# KiCad board FC_V5a.kicad_pcb (continued)
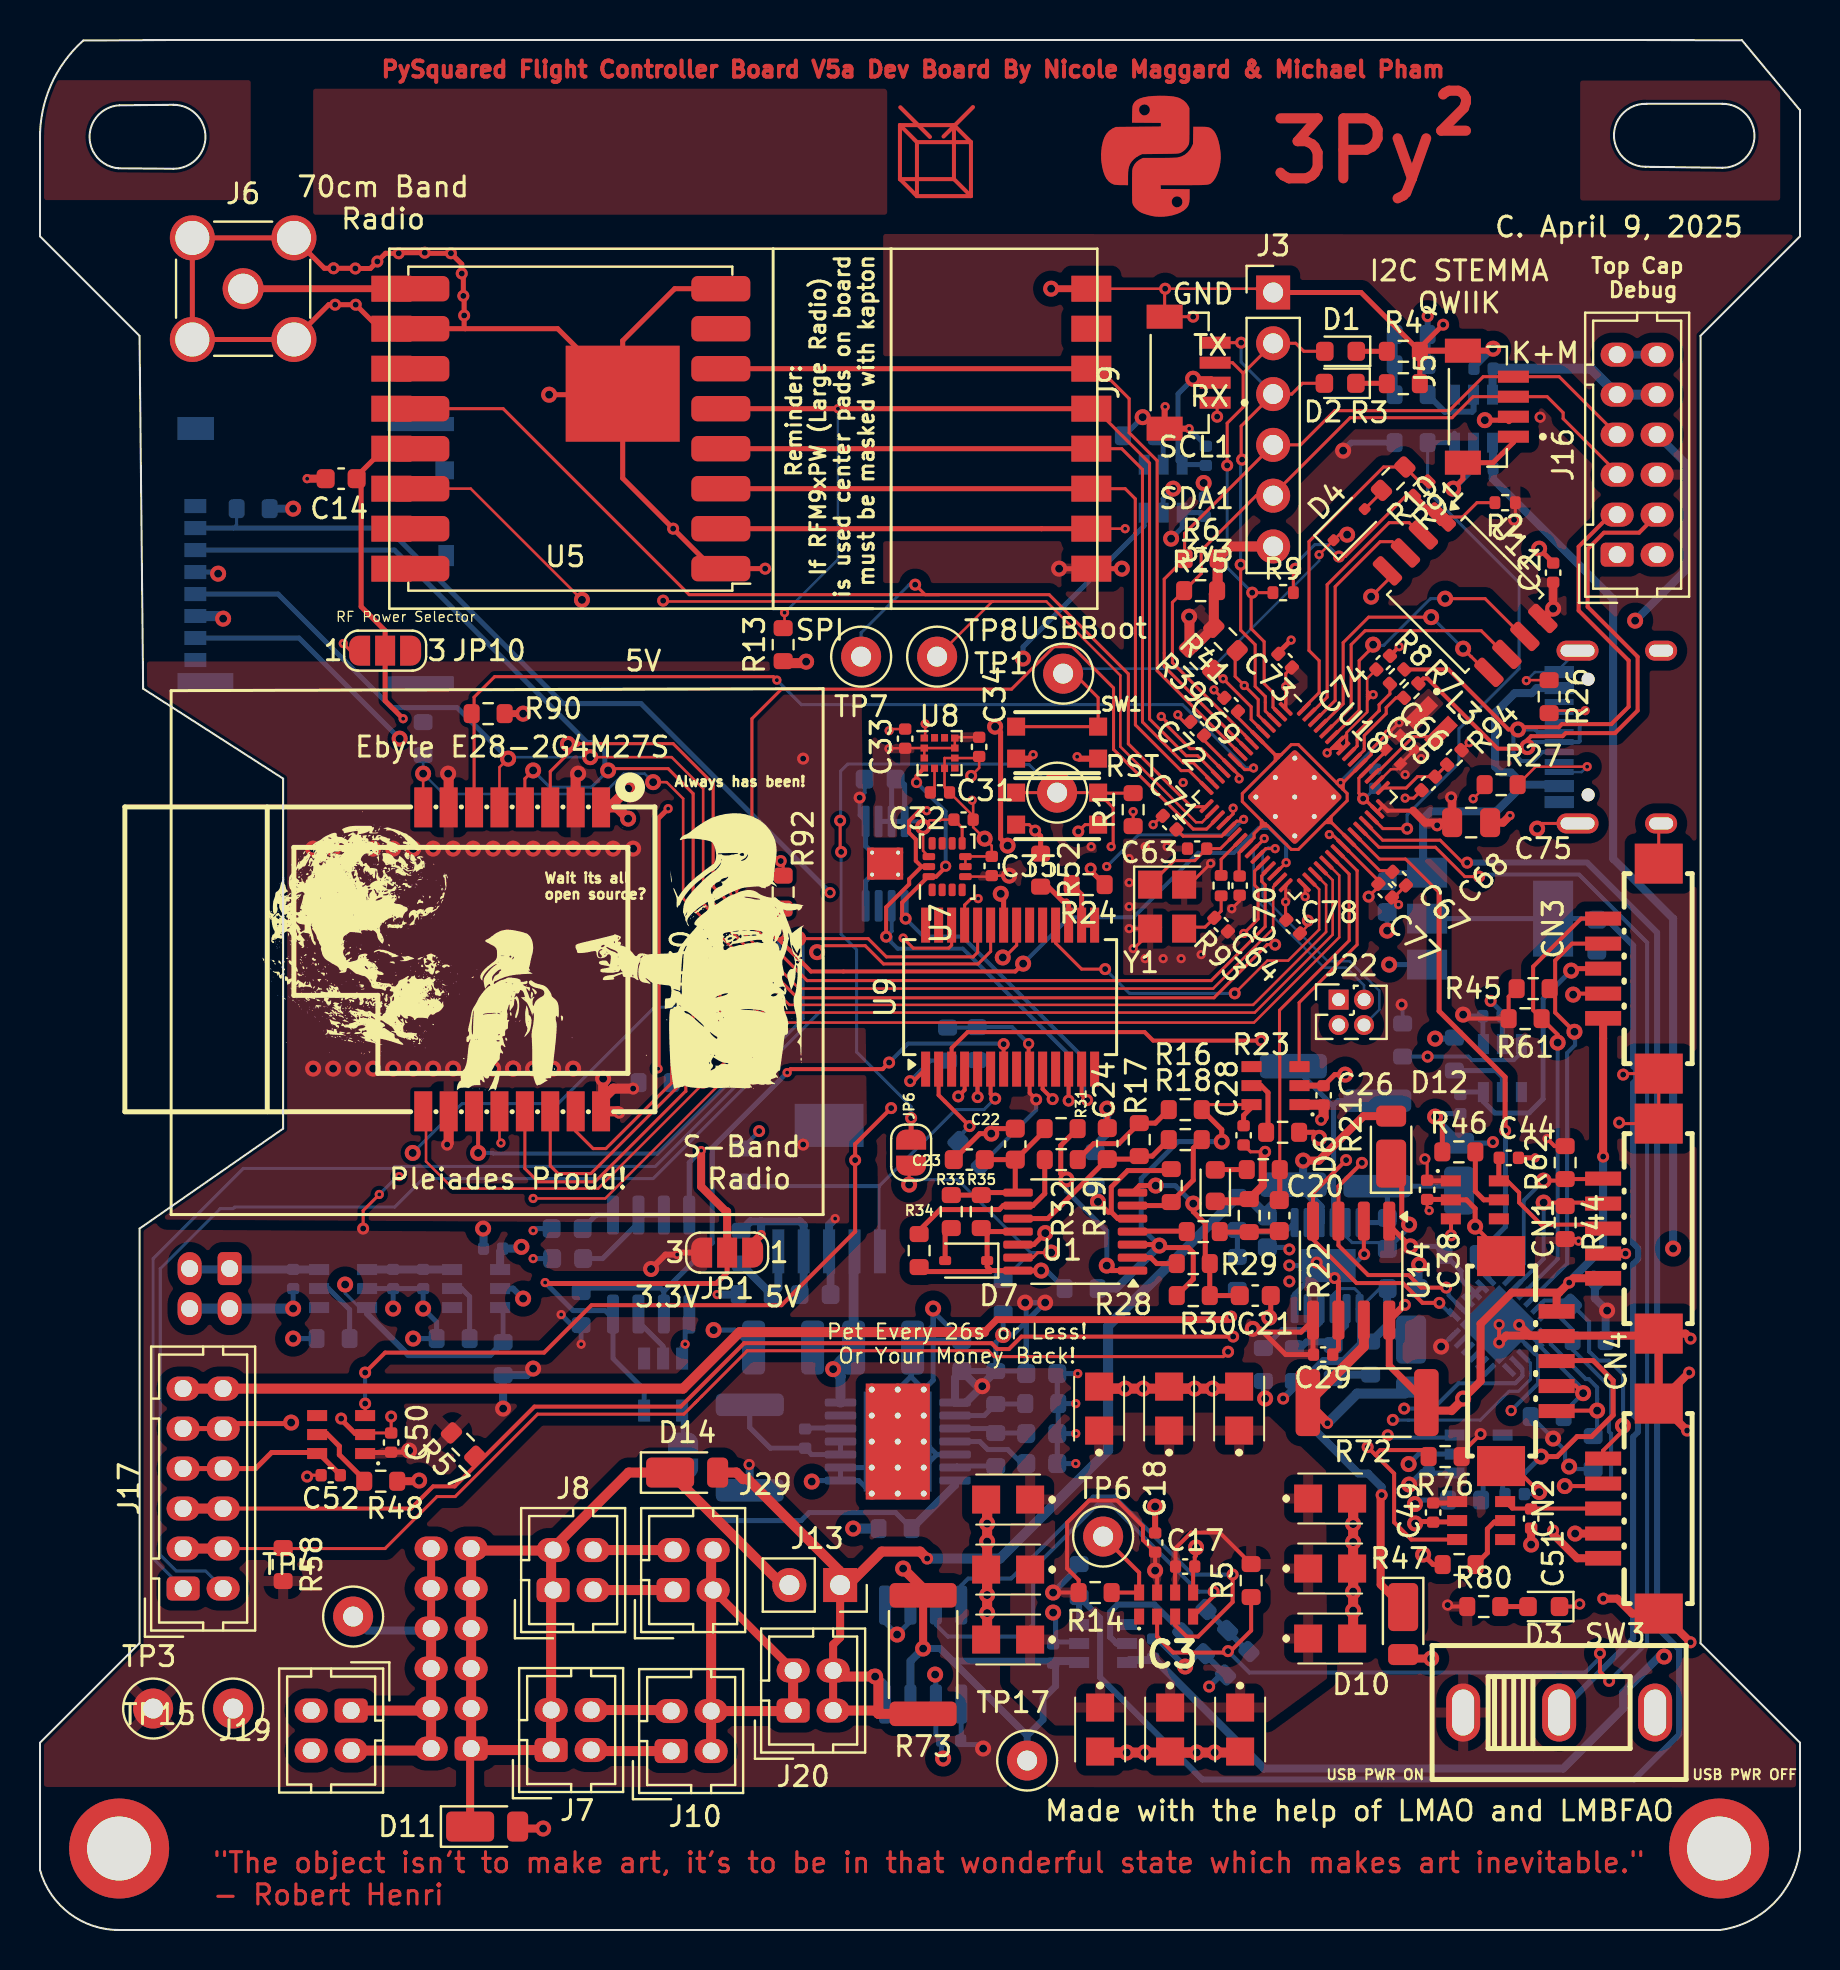
[diagram p0: board, top side]
## Routing (per net, layer and track width the routed paths; a pad name or vN(x,y) marks a point on that pad's centre or on a via; arc(x,y) is an arc through that point) (continued)
+1V1: length 38.8
  Top w0.152: 64.26,55.37 62.92,54.03 62.56,54.03 61.39,55.21 ; 64.26,55.37 64.41,55.52 ; 64.26,55.37 64.58,55.37 ; 61.06,55.17 61.21,55.33 ; 61.06,55.17 61.06,55.18 61.06,55.48 ; 61.06,55.17 61.09,55.21 61.39,55.21 ; 61.06,55.17 60.7,54.82 60.7,54.62 U18.23 59.95,53.87 59.95,52.73 C70.1 ; 61.21,55.33 61.27,55.33 61.39,55.21 ; 61.21,55.33 61.06,55.48 ; 65.14,57.05 64.99,57.2 ; 65.14,57.05 65.16,57.07 65.16,57.37 ; 65.14,57.05 65.36,56.83 65.36,56.48 64.56,55.67 ; 64.99,57.2 64.84,57.35 ; 64.99,57.2 65.16,57.37 ; U18.6 61.76,58.77 61.76,58.47 ; U18.6 61.75,58.77 62.06,58.77 ; U18.6 60.88,59.65 61.91,58.62 ; U18.6 59.9,60.63 C69.1 ; 62.06,58.77 61.91,58.62 ; 62.06,58.77 62.56,59.28 62.91,59.28 64.84,57.35 ; 64.56,55.37 64.56,55.67 ; 64.56,55.37 64.41,55.52 ; 64.56,55.37 64.58,55.37 ; 64.56,55.67 64.41,55.52 ; 64.84,57.35 64.86,57.37 65.16,57.37 ; 61.91,58.62 61.76,58.47 ; 61.06,55.48 60.12,56.43 60.12,56.83 61.76,58.47 ; v3(67.96,60.37) v3(67.41,59.82) 67.32,59.74 67.27,59.74 66.56,59.03 66.56,58.78 U18.50 66.02,58.23 65.16,57.37 ; C67.1 67.56,52.97 66.98,52.97 U18.39 64.58,55.37
  Bottom w0.152: v3(67.41,59.82) 65.03,57.45 v3(65.03,57.37)
/3v3 Spec: length 51.2
  Bottom w0.25: 77.74,50.57 IC2.4 IC2.2
  Bottom w0.3: 77.84,50.52 78.37,50.52 79.66,49.24 79.66,43.2 79.81,43.04 79.81,42.5 79.66,42.35 79.66,34.34 79.91,34.09 79.91,33.56 79.66,33.31 79.66,25.77 79.9,25.52 79.9,24.9 79.66,24.66 79.66,14.57 SW3.2
GND: length 451.4
  Top w0.127: C33.2 42.54,60.05 v3(42.46,59.97) ; 67.89,58.05 67.55,58.05 66.86,57.36 ; C32.2 46.66,55.15 v1(47.23,54.57) 47.59,54.22 C35.2 46.28,53.68 U7.7 U7.6 ; C32.2 46.66,56.44 v3(46.61,56.49) ; C32.2 46.66,55.7 C31.2 45.23,57.13 U8.6 45.23,58.61 ; 50.56,82.07 v1(50.56,82.07) ; 45.23,58.6 U8.8 46.88,58.6 C34.2 46.96,58.11 v2(46.56,57.71) ; 60.99,81.88 60.8,82.07 v2(56.26,82.07) U4.16 ; v3(71.66,56.57) 72.23,57.14 R27.1 ; 69.16,58.57 v3(69.06,58.57) ; C78.2 63.39,50.23 v2(63.39,50.47) ; R26.1 74.34,62.5 v3(74.32,62.48)
  Top w0.152: v3(68.26,56.6) 68.68,56.6 C68.2 ; v2(13.36,22.67) 13.42,22.74 C52.2 ; v2(56.26,82.07) 56.23,82.05 J9.S2 v2(57.66,80.67) ; SW2.B' 49.46,55.27 v2(49.76,54.97) ; C69.2 59.1,61.61 v3(58.7,62.01) ; v2(17.56,25.67) C50.2 16.28,24.85 16.26,24.83 ; v2(58.86,75.67) 58.86,76.27 J9.1 ; J12.S1 75.12,55.33 v1(74.86,55.07) ; C71.2 56.1,55.71 v3(55.66,55.27) ; v3(59.59,51.07) 59.98,51.46 C70.2 ; 67.56,67.67 67.56,67.67 v1(66.56,66.67) ; J12.S1 80.94,55.21 CN3.6 ; C65.2 C66.2 ; v2(51.91,54.93) 52.26,55.27 SW2.B ; Y1.2 v3(54.46,50.07) ; C28.2 60.53,38.91 v2(61.26,38.91) ; C72.2 57.2,60.41 56.89,60.72 v3(56.89,60.77) ; C67.2 67.7,51.63 C77.2 67.6,51.6 v3(67.93,51.27) ; 57.73,52.35 57.73,52.54 v3(58.53,53.34) ; v3(69.46,35.97) 69.36,36.07 C38.2 ; v3(54.66,49.07) 54.7,49.07 55.77,50.15 56.03,50.15 ; v2(78.96,40.37) 79.01,40.32 CN1.6 CN3.7 79.21,42.82 v2(79.16,42.77)
  Top w0.2: v2(72.96,29.37) v4(72.96,30.27) ; v1(74.96,21.9) 73.64,23.22 73.18,23.22 ; IC3.5 57.66,18.09 C17.2 57.74,18.65 57.8,18.72 v1(57.8,19.13) ; v1(71.76,35.17) 73.05,33.88 CN4.7 ; v2(50.63,41.55) 50.13,42.05 U9.10 ; CN3.2 76.71,46.82 v1(76.66,46.77) ; C74.2 v3(67.96,64.17) ; D3.1 76.86,16.17 v4(76.98,16.3) ; v2(66.21,33.8) 66.19,33.81 U14.2
  Top w0.25: v2(52.53,53.07) 52.53,52.97 R24.1 ; 60.18,39.26 60.18,39.19 ; U4.17 29.09,76.77 v1(25.46,76.77) ; U4.17 29.13,79.47 31.74,82.07 34.04,82.07 ; U4.17 29.13,72.6 33.66,68.07 v2(36.26,68.07) ; U4.17 25.88,80.07 21.26,80.07 ; 73.92,38.68 C44.2 v3(74.76,38.61) ; v1(74.96,69.07) 75.66,68.37 C2.2 ; C29.1 64.92,29.06 64.92,32.41 v2(64.73,32.6) 64.6,32.6 v2(63.83,33.37) ; 64.18,42.22 64.74,42.77 v1(65.26,42.77) ; 21.26,80.07 U5.10 17.57,80.07 U4.2 16.99,80.07 v2(15.79,81.27) ; 21.26,80.07 21.21,80.12 v2(21.21,80.73) 21.21,81.67 v2(21.17,81.71) 21.17,82.75 v2(21.09,82.83) 21.09,83.3 v2(20.55,83.84) 19.27,83.84 v2(19.24,83.87) 17.97,83.87 v2(17.94,83.84) 17.28,83.84 v2(16.87,83.43) 16.52,83.08 v2(15.77,83.08) 15.76,83.09 v2(14.68,83.09) 14.22,83.09 J6.2 J6.2 J6.2 J6.2 14.44,81.27 v2(14.76,81.27) v2(15.79,81.27) ; R47.1 69.66,18.27 v1(69.16,18.77) ; v2(15.79,81.27) 15.73,81.33 ; v1(50.26,34.85) 49.69,34.27 U1.12 ; v3(62.56,64.5) 61.86,63.8 61.86,63.75 ; v1(53.36,41.07) 53.36,40.11 C24.1 ; 70.79,20.4 69.61,20.4 69.59,20.42 68.85,20.42 v1(68.76,20.33) ; v1(12.56,25.37) 12.51,25.32 9.41,25.32 J17.10 J17.9 ; R52.1 50.03,54.7 v2(49.76,54.97) ; v2(70.16,80.27) 68.99,79.11 68.99,78.94 ; C21.1 61.54,30.7 v1(61.46,30.62) ; 16.26,24.83 15.76,24.83 15.06,25.53 v2(15.06,25.57) ; v1(70.66,72.07) 71.14,72.56 J5.S1 72.66,73.37 73.67,74.39 J5.1 ; R46.1 70.12,40.31 v1(69.76,40.67) ; 60.99,81.88 66.05,81.88 68.99,78.94 ; 70.54,36.51 71.32,36.51 71.76,36.07 v1(71.76,35.17) ; D6.1 59.12,36.44 ; 69.24,36.53 70.52,36.53 ; R23.1 63.68,39.89 v1(63.96,39.61) ; C22.1 47.81,40.07 v1(47.56,39.82) 46.99,39.82 C23.1 ; 68.99,78.94 68.99,77.32
  Top w0.3: v3(49.66,58.77) 49.46,58.57 SW1.B' ; 72.66,78.87 72.56,78.97 J5.S2 69.02,78.97 68.99,78.94 ; v3(56.26,76.17) 56.23,76.15 J9.S1 v3(57.46,75.07) ; 64.18,42.22 64.18,42.22 U3.2 ; SW1.B 51.96,58.57 v3(51.86,58.67) ; C18.2 v1(55.76,21.17)
  Top w0.342: U4.16 50.56,82.07
  Top w0.4: v1(76.76,19.82) 77.76,19.82 ; CN2.6 81.01,26.32 v2(82.36,24.97) ; CN2.6 CN1.7 ; CN2.6 80.94,26.35 v2(82.46,27.87) ; v2(61.26,38.91) 61.14,38.8 61.14,37.22 R22.2 60.35,36.44 D6.1 ; CN1.7 80.84,29.72 75.96,29.72 ; CN1.7 82.28,29.82 v2(82.53,29.57) ; C51.2 v1(74.56,19.27) ; R48.1 18.92,22.44 v1(18.96,22.47) ; v2(78.16,16.57) 78.86,16.57 79.61,15.82 CN2.7 81.09,15.82 v2(82.53,14.39) ; 75.96,29.72 73.31,29.72 v2(72.96,29.37) ; 75.96,29.72 74.49,29.72 v2(73.96,30.26) ; C75.2 73.15,55.37 v3(73.5,55.73) ; CN1.2 v4(79.28,33.82) ; C14.1 v3(13.36,72.57)
  Top w0.5: 47.36,18.12 47.36,21.62 47.36,20.37 ; 47.36,16.8 47.36,18.05 47.36,14.55 ; v1(65.66,16.92) 65.66,18.17 65.66,14.67 ; 65.66,18.1 65.66,21.6 65.66,20.35 ; 60.03,8.87 56.53,8.87 ; 54.28,8.87 53.03,8.87 56.53,8.87 ; v1(26.91,57.82) 26.78,57.7 U30.2 ; U30.16 28.16,41.04 v1(28.16,42.57) ; U30.16 28.05,41.47 28.66,42.07 v2(29.66,42.07) ; U30.16 28.89,40.94 v2(28.96,40.87) ; 38.14,39.25 v2(38.16,39.27) ; v1(20.41,57.82) 20.43,57.8 U30.7 ; 57.68,27.07 56.43,27.07 59.93,27.07 ; U30.10 20.43,39.35 v2(20.36,39.27) ; 38.14,58.59 v2(38.16,58.57) ; 56.53,8.87 57.78,8.87 ; 56.46,27.07 52.96,27.07 54.21,27.07
  In1.Cu w0.152: v3(57.16,57.38) 57.88,56.66 U18.61
  In1.Cu w0.4: v3(57.16,57.38) 57.81,56.73 62.66,56.73 U18.61 ; U18.61 61.37,55.68 59.02,53.34 v3(58.53,53.34)
  Bottom w0.127: J12.S1 75.96,63.06 J12.A1 74.75,62.9 v3(74.32,62.48)
  Bottom w0.152: R95.2 29.93,42.35 v2(29.66,42.07) ; 29.93,40.97 30.03,40.87
  Bottom w0.2: 74.21,21.8 74.87,21.8 v1(74.96,21.9) ; C43.2 41.23,56.87 v2(40.98,56.62) 40.98,55.74 U16.5 ; v4(73.56,25.97) 74.9,27.32 74.9,28.68 U12.9 73.31,30.27 v4(72.96,30.27)
  Bottom w0.25: C37.2 50.91,24.87 R40.1 ; C37.2 v3(51.79,24.82) ; C37.2 C36.2 v3(51.79,23.32) ; v1(44.66,31.07) 44.66,30.22 43.56,29.12 ; v1(44.66,31.07) 44.66,27.49 U10.15 43.56,27.65 43.56,29.12 ; v1(44.66,31.07) 44.66,30.93 46.09,29.5 43.94,29.5 43.56,29.12 ; U10.5 44.84,23.77 ; 44.84,23.77 U10.15 ; 44.84,23.77 U10.15 ; U10.8 40.94,22.47 U10.15 ; U10.8 U10.9 U10.15 ; U10.8 38.64,22.47 v1(38.59,22.42) ; U24.2 69.51,23.8 C53.2 69.01,23.88 v1(68.43,23.3) ; v1(70.66,72.07) 70.7,72.07 C56.2 71.68,73.09 U26.2 ; U16.9 41.28,52.45 U16.4 ; U16.9 41.28,54.2 U16.5 41.28,55.67 ; v2(62.47,34.03) 62.37,34.13 C42.2 ; v3(51.89,27.82) C16.1 50.86,26.37 R40.1 ; R40.1 v3(51.79,26.32) ; C61.2 C60.2 v1(19.16,31.07) 19.83,30.4 R55.1 v1(18.66,29.57) ; C61.2 v1(17.66,31.07) ; C61.2 U28.2 ; v1(56.66,72.07) 56.16,71.57 U29.2 ; U10.15 43.56,27.7 43.56,29.12 ; v2(72.65,39.4) 72.6,39.35 D13.2 70.96,39.47 v1(69.76,40.67) 69.9,40.82 C48.2 ; IC6.6 62.73,31.8 64.16,33.22 IC6.13 ; v3(57.46,75.07) 58.29,74.24 C80.2 ; v1(55.13,75.65) 54.2,74.72 R50.1 ; 32.46,30.8 32.26,30.59 v3(32.26,29.29) 32.11,29.14 U20.3 ; C62.2 v1(12.66,31.07) ; IC6.13 65.64,33.22 66.19,33.77 ; IC6.13 65.66,33.22 ; IC6.13 65.39,33.22 ; IC6.13 62.48,33.22 v2(62.47,33.23) ; v1(67.36,49.97) C12.2 ; R74.1 60.14,32.01 ; 52.08,14.45 52.04,14.41 50.78,14.41 50.78,15.75 v1(50.66,15.87) ; C25.2 35.61,29.12 34.73,30 v1(33.68,30) ; R49.1 68.95,21.5 v1(68.75,21.3) ; v1(44.76,12.77) 44.79,12.74 U15.6 44.79,9.76 C30.1 45.08,8.65 v1(45.16,8.57) ; v1(58.18,72.36) 58.24,72.3 C79.2 ; v2(72.53,46.46) 73.1,45.89 C47.2 73.12,45.68 73.12,44.3 ; 13.83,29.57 v1(12.66,29.57) ; v3(24.66,34.97) 24.76,35.07 C46.2 ; v1(67.46,48.27) IC2.1 ; C45.2 v3(24.66,33.57) ; 42.25,16.25 42.25,15.38 v1(42.86,14.77) 43.52,15.44 43.52,16.25 42.25,16.25
  Bottom w0.3: 55.78,14.45 55.98,14.45 v1(57.26,13.17) 57.9,13.82 R83.1 R82.1 59.04,12.76 v2(58.46,12.17) ; R87.1 R86.1 v2(69.38,80.7) 69.46,80.77 ; U27.2 23.66,32.07 v1(24.16,31.57) ; v1(69.76,44.57) 70.67,44.57 R51.1 70.76,44.59
  Bottom w0.342: v2(62.16,26.57) 62.72,27.13 R69.1
  Bottom w0.4: R64.2 v3(33.86,31.77) ; v3(39.76,35.57) 39.46,35.27 U13.3 39.53,33.86 C39.1 ; v1(72.66,79.07) 72.58,79.07 71.7,78.19 C58.2 ; J16.11 J16.12 ; R20.2 52.76,39.23 53.36,39.83 v1(53.36,41.07) ; C59.2 22.18,35.05 v1(22.16,35.07) ; v1(68.96,33.27) 68.93,33.25 C40.2
  Bottom w0.5: J4.6 9.03,65.7 v1(9.16,65.57) ; J21.4 v1(12.66,31.07)
  vias: v1(13.66,54.07) v1(13.66,43.07) v1(14.66,54.07) v1(14.66,43.07) v1(15.66,54.07) v1(15.66,43.07) v1(16.66,54.07) v1(16.66,43.07) v1(17.66,54.07) v1(17.66,43.07) v1(18.66,54.07) v1(18.66,54.07) v1(18.66,43.07) v1(19.66,54.07) v1(19.66,43.07) v1(20.66,54.07) v1(20.66,43.07) v1(21.66,54.07) v1(21.66,43.07) v1(22.66,54.07) v1(22.66,43.07) v1(23.66,54.07) v1(23.66,43.07) v1(23.66,43.07) v1(24.66,54.07) v1(24.66,43.07) v1(25.66,54.07) v1(25.66,43.07) v1(26.66,54.07) v1(26.66,43.07) v1(27.66,54.07) v1(28.66,54.07) v1(29.66,54.07) v1(47.36,20.32) v1(47.36,19.42) v1(47.36,16.75) v1(47.36,15.85) v1(54.26,27.07) v1(54.33,8.87) v1(55.16,27.07) v1(55.23,8.87) v1(57.73,27.07) v1(57.83,8.87) v1(58.63,27.07) v1(58.73,8.87) v1(65.66,20.3) v1(65.66,19.4) v1(65.66,15.97) v2(31.66,70.07) v2(62.47,32.43) v3(54.46,53.57) v3(54.46,52.37) v3(54.46,51.17) v3(55.26,54.17) v3(55.26,48.57) v3(56.16,48.57) v3(56.36,54.17) v3(57.06,48.57) v3(58.06,48.77) v3(68.26,57.77)
VBatt: length 47.7
  Top w0.4: 21.56,8.97 21.51,8.92 D11.1
  Top w0.5: J13.2 37.13,17.25 D14.1 29.43,22.87 25.53,18.97 21.56,18.97 21.56,8.97 21.58,9 J7.1 25.56,19
VBATT_SENSE: length 72.1
  Top w0.4: J20.2 J20.4 39.66,14.27 40.01,14.62 J13.1 ; D12.2 66.17,40.7 63.95,38.47 v1(63.16,38.47)
  Top w0.5: v2(44.36,18.57) 44.01,18.92 42.08,18.92 39.96,16.8 39.96,17.97 35.39,22.54 35.15,22.54 34.82,22.87 D14.2 ; v1(41.76,12.67) 41.63,12.8 ; v1(41.76,12.67) 41.92,12.51 41.92,10.81 ; v1(41.76,12.67) 39.96,12.67 J20.4 ; J20.2 41.76,10.97 41.92,10.81 ; 41.92,10.81 R73.2
  Bottom w0.25: 62.67,36.98 R75.1 62.86,37.27
  Bottom w0.4: IC6.9 64.03,36.16 62.92,37.27 R75.1 63.16,37.76 v1(63.16,38.47)
  Bottom w0.5: U15.8 42.25,12.18 v1(41.76,12.67) ; R75.1 61.37,35.97 C42.1 60.39,36.66 R71.2 53.41,30.2 53.41,23.98 48,18.57 v2(44.36,18.57)
VBUS: length 21.1
  Bottom w0.25: C12.1 67.78,52.87 IC2.3 69.07,53.16
  Bottom w0.4: IC2.3 69.16,53.07 69.16,55.57 69.52,55.94 72.82,55.94 74.16,57.27 ; J12.A4 74.84,62.1 74.58,61.85 73.73,61.85 72.76,60.87 72.76,58.17 73.05,57.88 73.55,57.88 74.16,57.27 ; J12.A9 75.89,57.27 74.16,57.27
VBUS_RESET: length 31.7
  Top w0.152: 37.44,42.96 v3(37.36,42.87)
  Top w0.2: v3(37.36,42.87) 37.53,43.05 42.13,43.05 42.13,43.05 v2(42.46,43.38) ; U9.7 v2(48.18,44.3)
  Bottom w0.2: v2(48.18,44.3) 48.16,44.32 43.4,44.32 v2(42.46,43.38)
  Bottom w0.25: R42.1 27.26,32.1 31.03,32.1 31.19,31.94 ; 31.19,31.94 33.61,34.36 33.61,39.13 v3(37.36,42.87) ; 31.19,31.94 31.19,30.8
VBUSP: length 69.7
  Top w0.4: v1(44.16,14.07) R73.1
  Top w0.5: R73.1 44.16,17.07 v1(43.16,18.07)
  In2.Cu w0.4: v1(39.66,28.05) 34.56,33.14 31.6,33.14 30.53,34.21 24.11,34.21 v1(24.07,34.16)
  In2.Cu w0.5: v1(39.66,28.05) 39.66,20.87 40.46,20.07 v1(40.66,20.07) 41.16,20.07 v1(43.16,18.07)
  Bottom w0.342: 45,14.07 v1(44.16,14.07) ; 45,14.07 45.63,13.45 50.78,13.45 50.78,12.2 50.16,11.57 50.16,10.52 49.36,9.72 ; 45,14.07 49.36,9.72 ; TP17.1 49.36,9.72
  Bottom w0.4: 50.78,13.45 52.03,13.45 ; v1(44.16,14.07) 43.52,13.44 U15.7 ; v1(24.07,34.16) 23.98,34.07 C59.1 23.01,33.94 U27.1 23.04,33.05
  Bottom w0.5: C19.1 40.03,28.47 40.03,27.68 ; C19.1 40.68,33.08 ; C19.1 39.66,28.1 v1(39.66,28.05) 40.03,27.68 ; 40.03,27.68 U10.14 ; v1(40.66,20.07) R124.1
/Power Systems/Load Switches/Burnwire Interstage: length 96.4
  In2.Cu w0.4: v1(81.21,13.67) 81.21,14.62 81.66,15.07 v1(81.66,34.07)
  Bottom w0.4: v1(81.66,34.07) 81.66,50.57 78.66,53.57 78.66,66.56 72.64,72.58 72.64,73.05 C56.1 72.66,74.34 U26.1 ; v1(81.21,13.67) 80.96,13.67 79.16,11.87 79.16,11.07 76.16,8.07 61.2,8.07 55.77,13.5 54.48,13.5
/Power Systems/Load Switches/Heater Interstage: length 4.3
  Bottom w0.4: U28.1 16.37,33.03 C61.1 C60.1 19.17,33.02 U27.6
/Power Systems/V_RF: length 8.7
  Top w0.4: v3(36.06,34.77) 35.66,34.37 JP1.1
  Bottom w0.4: 36.06,35.44 37.99,35.44 38.19,35.24 U13.4 38.19,31.98 C39.2 ; 36.06,35.44 35.52,35.44 R63.1 ; 36.06,35.44 v3(36.06,34.77)
/RP2350AHHHHHHHHH/FLASH_SS: length 14.4
  Top w0.152: 68.86,71.77 68.36,71.77 65.26,68.68 v2(64.95,68.68) ; R9.2 62.67,67.97 v2(62.76,68.07) ; R2.2 71.85,71.37 71.13,70.66 U11.1
  Top w0.3: 70.26,70.37 70.04,70.37 68.86,71.55
  Bottom w0.152: v2(64.95,68.68) 64.35,69.28 63.75,69.28 62.76,68.3 v2(62.76,68.07)
/RP2350AHHHHHHHHH/QSPI_SCLK: length 13.8
  Top w0.152: 64.31,59.9 65.56,61.15 65.56,64.27 66.26,64.97 69.28,64.97 69.28,64.97 69.84,64.97 69.84,64.97 72.06,64.97 73.55,63.48
/RP2350AHHHHHHHHH/QSPI_SD0: length 14
  Top w0.152: v1(69.56,65.65) 66.43,65.65 65.16,64.37 65.16,61.31 64.03,60.19 ; 72.66,62.58 71.56,63.67 71.56,63.67 v1(71.16,64.07)
  Bottom w0.152: v1(69.56,65.65) 69.59,65.65 71.16,64.08 v1(71.16,64.07)
/RP2350AHHHHHHHHH/QSPI_SD1: length 13.6
  Top w0.152: 63.46,60.75 64.36,61.65 64.36,67.27 67.46,70.37 68.45,70.37 69.36,69.47
/RP2350AHHHHHHHHH/QSPI_SD2: length 12.1
  Top w0.152: 68.46,68.57 67.61,69.43 67.01,69.43 64.76,67.18 64.76,61.48 63.74,60.47
/RP2350AHHHHHHHHH/QSPI_SD3: length 15.2
  Top w0.152: v1(70.26,66.57) 72.25,66.57 74.45,64.38 ; v1(66.66,64.27) 66.43,64.05 66.43,63.95 65.96,63.47 65.96,60.98 64.59,59.62
  Bottom w0.152: v1(70.26,66.57) 69.52,66.57 67.18,64.23 66.7,64.23 v1(66.66,64.27)
/RP2350AHHHHHHHHH/VREG_AVDD: length 3.7
  Top w0.152: U18.46 68.31,57.11 68.87,57.67 C68.1 R94.2
/RP2350AHHHHHHHHH/VREG_LX: length 4.4
  Top w0.152: L3.2 69.85,59.67 68.66,59.67 67.01,58.03 66.94,58.03 U18.48
/RP2350AHHHHHHHHH/XIN: length 5
  Top w0.152: U18.21 59.03,54.07 C63.1 57.74,53.47 56.71,53.47 56.03,52.8 56.03,52.35 ; 58.38,54.29 58.34,54.25
/RP2350AHHHHHHHHH/XOUT: length 2.2
  Top w0.127: 60.01,54.44 60.01,54.48
  Top w0.152: U18.22 59.06,53.54 R93.1
/Watchdog Circuit/WDT-VP: length 7.6
  Top w0.25: U1.5 53.89,35.57 53.56,35.9 ; 53.56,35.9 53.56,37.15 54.38,37.97 56.49,37.97 R19.2 ; 53.56,35.9 53.41,35.9 v1(52.9,36.42)
  Bottom w0.25: v1(52.9,36.42) 52.9,37.11 R20.1
B-: length 22.2
  Top w0.4: 19.56,18.97 19.56,14.97
  Top w0.5: 19.56,10.97 19.56,14.97 ; 19.56,10.97 J19.1 ; 19.56,10.97 19.56,8.97 J19.3
  Bottom w0.4: TP4.1 16.36,14.97 19.56,14.97
BOOTSEL: length 16.3
  Top w0.127: 63.18,61.03 63.18,61.04
  Top w0.152: R10.1 68.96,72.44 R91.1 ; 67.81,73.16 67.18,73.16 63.45,69.43 63.45,63.98 63.96,63.47 63.96,61.87 63.19,61.11 U18.60
DEPLOY1: length 9.9
  Bottom w0.4: U26.6 72.63,77.94
  Bottom w0.5: J16.10 J16.9 77.56,78.07 C58.1
Dir_Chrg_In: length 123.4
  Top w0.4: D11.2 23.98,5.07 v1(25.16,5.07) ; v1(69.56,13.57) 68.36,13.57 D10.2
  In2.Cu w0.4: v1(25.16,5.07) 59.66,5.07 68.16,13.57 v1(69.56,13.57) 76.16,13.57 80.66,18.07 80.66,36.81 81.84,37.99 81.84,52.97 79.81,55.01 79.81,65.42 v1(79.76,65.47)
  Bottom w0.4: J16.8 82.26,73.37 82.26,67.98 v1(79.76,65.47)
ENAB_RF: length 19.5
  Top w0.2: v2(47.76,41.57) 47.53,41.8 U9.6
  Bottom w0.152: 47.76,41.48 v2(47.76,41.57) 47.76,41.59 47.2,41.02 45.78,41.02 41.96,37.2 41.96,33.98 U13.1
  Bottom w0.2: R89.2 35.31,37.2 41.96,37.2
F0_PWR: length 7.7
  Top w0.2: U19.6 73.37,37.46 73.96,36.87 73.96,36.37 75.06,35.27 77.96,35.27 CN1.3
  Top w0.25: 72.92,38.61 72.94,38.59 U19.6 72.92,37.48
F0_SCL: length 7.8
  Top w0.2: v1(75.18,36.37) 77.16,36.37 77.21,36.32 CN1.4
  Bottom w0.2: U12.2 75.18,33.56 v1(75.18,36.37)
F0_SDA: length 9.3
  Top w0.2: 77.57,37.47 77.67,37.57 CN1.5 78.13,37.55 R62.1 76.18,37.47 v1(75.18,37.47)
  Bottom w0.2: v1(75.18,37.47) 74.19,36.48 74.19,33.31 73.45,32.57 U12.1
F1_PWR: length 14.3
  Top w0.25: CN3.3 76.66,48.07 v1(76.56,47.97)
  Bottom w0.152: U21.6 72.17,41.46
  Bottom w0.25: U21.6 72.17,41.42 72.74,40.85 74.45,40.85 75.16,41.56 75.16,46.57 v1(76.56,47.97) ; C48.1 71.14,41.9 72.17,41.9 72.21,41.86
F1_SCL: length 21.3
  Top w0.2: v1(76.72,44.92) 75.76,45.88 75.76,48.48 76.61,49.32 CN3.4
  Bottom w0.2: v1(76.72,44.92) 76.53,44.72 76.76,44.49 76.76,44.26 76.36,43.86 76.36,33.32 U12.4
F1_SDA: length 22.1
  Top w0.2: v1(75.88,44.37) 75.88,44.77 74.66,46 74.66,48.17 77.06,50.57 CN3.5
  Bottom w0.2: v1(75.88,44.37) 75.88,33.55 U12.3
F2_PWR: length 5
  Top w0.2: U22.6 73.61,21.07 CN2.3
F2_SCL: length 14.5
  Top w0.2: CN2.4 78.03,22.2 v1(76.24,22.2)
  Bottom w0.2: U12.6 75.86,30.77 76.63,30 R53.1 76.63,29.02 78.56,27.1 78.56,25.61 78.45,25.5 78.45,24.92 78.56,24.81 78.56,22.48 78.28,22.2 v1(76.24,22.2)
F2_SDA: length 11.4
  Top w0.2: v1(79.15,25.21) 79.15,24.96 78.16,23.97 CN2.5
  Bottom w0.2: U12.5 75.22,31.48 76.39,31.48 R60.1 77.46,30.41 77.46,28.92 77.91,28.47 78.46,28.47 79.16,27.77 79.16,25.22 v1(79.15,25.21)
F3_PWR: length 13
  Top w0.25: 75.96,28.47 77.66,28.47 78.66,27.47 78.66,25.75 77.58,24.67 76.86,24.67 75.86,23.67 v1(75.06,23.67)
  Bottom w0.25: 73.13,22.02 73.35,21.8 ; v1(75.06,23.67) 74.23,22.85 73.13,22.85 73.13,21.92 C55.1
F3_SCL: length 6.5
  Top w0.2: 75.96,27.22 76.78,27.22 v1(77.16,26.84)
  Bottom w0.2: v1(77.16,26.84) 76.19,25.87 76.18,25.87 ; v1(77.16,26.84) 77.16,27.07 ; v1(77.16,26.84) 77.16,27.03 74.87,29.32 U12.8
F3_SDA: length 8.2
  Top w0.2: v1(77.86,25.97) 75.96,25.97
  Bottom w0.2: R59.1 77.86,24.9 v1(77.86,25.97) 77.86,26.55 77.86,26.55 77.86,27.13 77.45,27.55 77.29,27.55 75.54,29.29 75.54,29.46 U12.7
F4_PWR: length 8.8
  Top w0.25: J17.7 J17.8 10.78,23.07 11.58,23.88 13.89,23.88 15.02,22.75 C52.1 15.14,22.86
F4_SCL: length 73.7
  Top w0.2: v2(59.66,29.67) 49.07,29.67 48.45,29.05 47.87,29.05 47.57,29.34 35.21,29.34 32.04,26.17 24.72,26.17 20.73,22.18 19.66,22.18 18.55,21.07 J17.6
  Top w0.5: J17.5 J17.6
  In2.Cu w0.2: v2(59.66,29.67) 60.04,29.29 64.99,29.29 v2(68.21,26.07)
  Bottom w0.2: v2(68.21,26.07) 69.67,26.07 70.93,27.34 73.77,27.34 74.12,27.7 74.12,28.05 U12.11
F4_SDA: length 75.4
  Top w0.152: v2(59.4,28.92) 59.16,28.67 47.71,28.67 47.42,28.97 35.36,28.97 32.19,25.8 24.88,25.8 20.76,21.67 19.85,21.67 17.25,19.07 J17.4
  Top w0.5: J17.3 J17.4
  In2.Cu w0.152: v2(59.4,28.92) 64.51,28.92 67.64,25.79 v2(67.64,25.51)
  Bottom w0.152: v2(67.64,25.51) 67.96,25.51 67.97,25.5 72.01,25.5 73.46,26.94 73.93,26.94 74.52,27.53 74.52,28.21 74.52,28.22 74.52,28.36 U12.10
FC_RESET: length 95.1
  Top w0.152: SW2.A 52.93,56.85 R1.2 ; SW2.A 53.66,56.12 53.66,54.27 v3(53.56,54.17) ; SW2.A SW2.A' ; v2(40.01,55.47) 40.01,53.96 v2(40.06,53.91) ; U18.26 60.73,52.95 60.73,52.25 60.9,52.07 60.9,50.55 v3(60.19,49.83)
  Top w0.25: v2(43.56,40.6) JP6.2
  In2.Cu w0.152: v3(53.56,54.17) 53.56,53.67 54.35,52.88 54.69,52.88 57.4,50.17 59.85,50.17 v3(60.19,49.83) 60.26,49.76 60.26,48.57 61.86,46.97 63.96,46.97 64.11,46.82 64.83,46.82 ; TP2.1 55.36,56.87 56.37,57.89 57.07,57.89 64.58,65.4 66.24,65.4 68.74,67.9 79.98,67.9 J16.2
  Bottom w0.152: 50.49,56.87 TP2.1 49.46,58.27 49.06,58.27 49.03,58.3 40.38,58.3 40.03,57.95 40.03,55.5 v2(40.01,55.47) ; v2(43.56,40.6) 43.56,41.17 40.83,43.9 40.83,49.02 40.06,49.79 v2(40.06,53.91)
Heater Output: length 6.5
  Bottom w0.4: U28.6 12.67,33.02 C62.1 7.52,33.03 J21.3
PAYLOAD_PWR: length 24.7
  Top w0.25: J9.2 58.56,77.57 v1(57.65,77.57) ; v1(72.24,75.5) 73.5,75.5 J5.2
  Top w0.3: J5.2 73.44,75.45
  In2.Cu w0.25: v1(72.24,75.5) 69.76,77.98 58.06,77.98 v1(57.65,77.57)
  Bottom w0.25: v1(57.65,77.57) 56.9,76.82 56.9,73.48 U29.6 58.26,73.27 C80.1
RF1_ANT: length 8.8
  Top w0.3: U5.9 17.57,82.07 U4.1
  Top w0.342: J6.1 10.16,82.07 U4.1
RF1_IO0: length 54.6
  Top w0.127: 47.66,66.43 47.62,66.43 TP8.1 ; 47.66,66.43 31.2,66.43 v2(31.16,66.47) ; 47.66,66.43 50.32,66.43 54.02,62.73 54.02,59.18 57.8,55.39 58.1,55.39 58.6,55.89 ; v1(27.1,66.51) 21.54,72.07 U5.14 18.99,72.07 U4.6
  In1.Cu w0.127: 44.86,63.27 TP8.1
  In2.Cu w0.127: v2(31.16,66.47) 31.12,66.51 v1(27.1,66.51)
RF1_IO4: length 57.4
  Top w0.127: U5.12 18.99,76.07 U4.4
  Top w0.152: 44.96,66.77 32.46,66.77 23.16,76.07 U5.12 ; 44.96,66.77 44.26,66.77 v2(43.76,67.27) ; 44.96,66.77 50.46,66.77 54.42,62.81 54.42,59.31 57.56,56.17 58.32,56.17
  Bottom w0.152: v2(43.76,67.27) 43.46,67.27 41.06,64.87 TP7.1
  Bottom w0.2: TP7.1 40.99,63.61
RF1_RST: length 41.1
  Top w0.152: U18.9 55.86,62.97 55.86,73.47 54.46,74.87 54.46,76.57 52.96,78.07 U4.14
  Top w0.25: U4.14 34.04,78.07 34.04,78.07
RF2_IO0: length 54.8
  Top w0.127: U30.12 22.97,39.43 v3(23.05,39.35) ; U18.35 64.96,52.73 64.96,49.64 60.7,45.37 37.06,45.37 28.26,36.58 v3(24.66,36.58)
  In2.Cu w0.127: v3(24.66,36.58) 23.16,38.08 23.16,39.25 v3(23.05,39.35)
RF2_IO1: length 34.6
  Top w0.152: v3(34,48.57) 34,44.16 32.29,42.46 32.29,41.94 32.27,41.94 27.75,37.42 24.91,37.42 24.24,38.08 U30.13 ; v3(43.16,49.6) 43.66,49.1 45.43,49.1 45.58,49.24 U9.26
  In2.Cu w0.152: v3(34,48.57) 34,48.78 35.74,50.52 42.28,50.52 43.16,49.64 v3(43.16,49.6)
RF2_IO2: length 34.9
  Top w0.152: v3(33.41,49.07) 33.41,44.07 31.94,42.6 31.94,42.22 27.55,37.82 25.91,37.82 25.51,38.22 U30.14 ; U9.25 46.23,51.25 46.55,51.57 v3(46.91,51.57)
  In2.Cu w0.152: v3(46.91,51.57) 46.65,51.32 35.65,51.32 v3(33.41,49.07)
RF2_IO3: length 58
  Top w0.152: v3(32.66,49.57) 32.66,45.57 31.58,44.5 31.58,42.36 28.3,39.07 27.66,39.07 26.78,39.95 U30.15 ; v3(34.69,51.86) 35.6,52.76 35.6,60.57 37.07,62.05 48.58,62.05 50.7,64.17 51.61,64.17 53.68,62.11 53.68,59.03 57.66,55.05 58.33,55.05 58.88,55.61
  Bottom w0.152: v3(32.66,49.57) 32.66,49.82 v3(34.69,51.86)
RF2_RST: length 57.4
  Top w0.152: U18.28 61.74,52.81 v3(62.31,53.37)
  Top w0.2: U30.11 21.91,40.73 v1(21.91,38.86) ; v1(49.16,48.32) 48.76,47.93 38.55,47.93 36.94,49.54 v1(36.94,49.84) 36.94,50.86 R92.2
  Bottom w0.2: v1(49.16,48.32) 51.48,50.64 54.68,50.64 57.9,53.87 59.7,53.87 60.94,55.11 61.47,55.11 62.31,54.28 v3(62.31,53.37) ; v1(21.91,38.86) 22.62,38.86 22.66,38.82 30.87,38.82 36.94,44.89 v1(36.94,49.84)
RF2_RX_EN: length 61
  Top w0.127: U18.33 64.3,52.26 64.3,49.91 60.66,46.26 37.47,46.26 32.16,51.57 32.16,56.57 31.33,57.4 v1(30.66,57.4) ; U30.8 19.16,56.14 v1(19.16,57.82)
  Bottom w0.127: R96.1 v1(19.16,57.82) 20.17,56.81 28.17,56.81 29.19,57.82 30.23,57.82 v1(30.66,57.4)